# Altium PCB PCB6.PcbDoc (part 1 of 2) (continued)
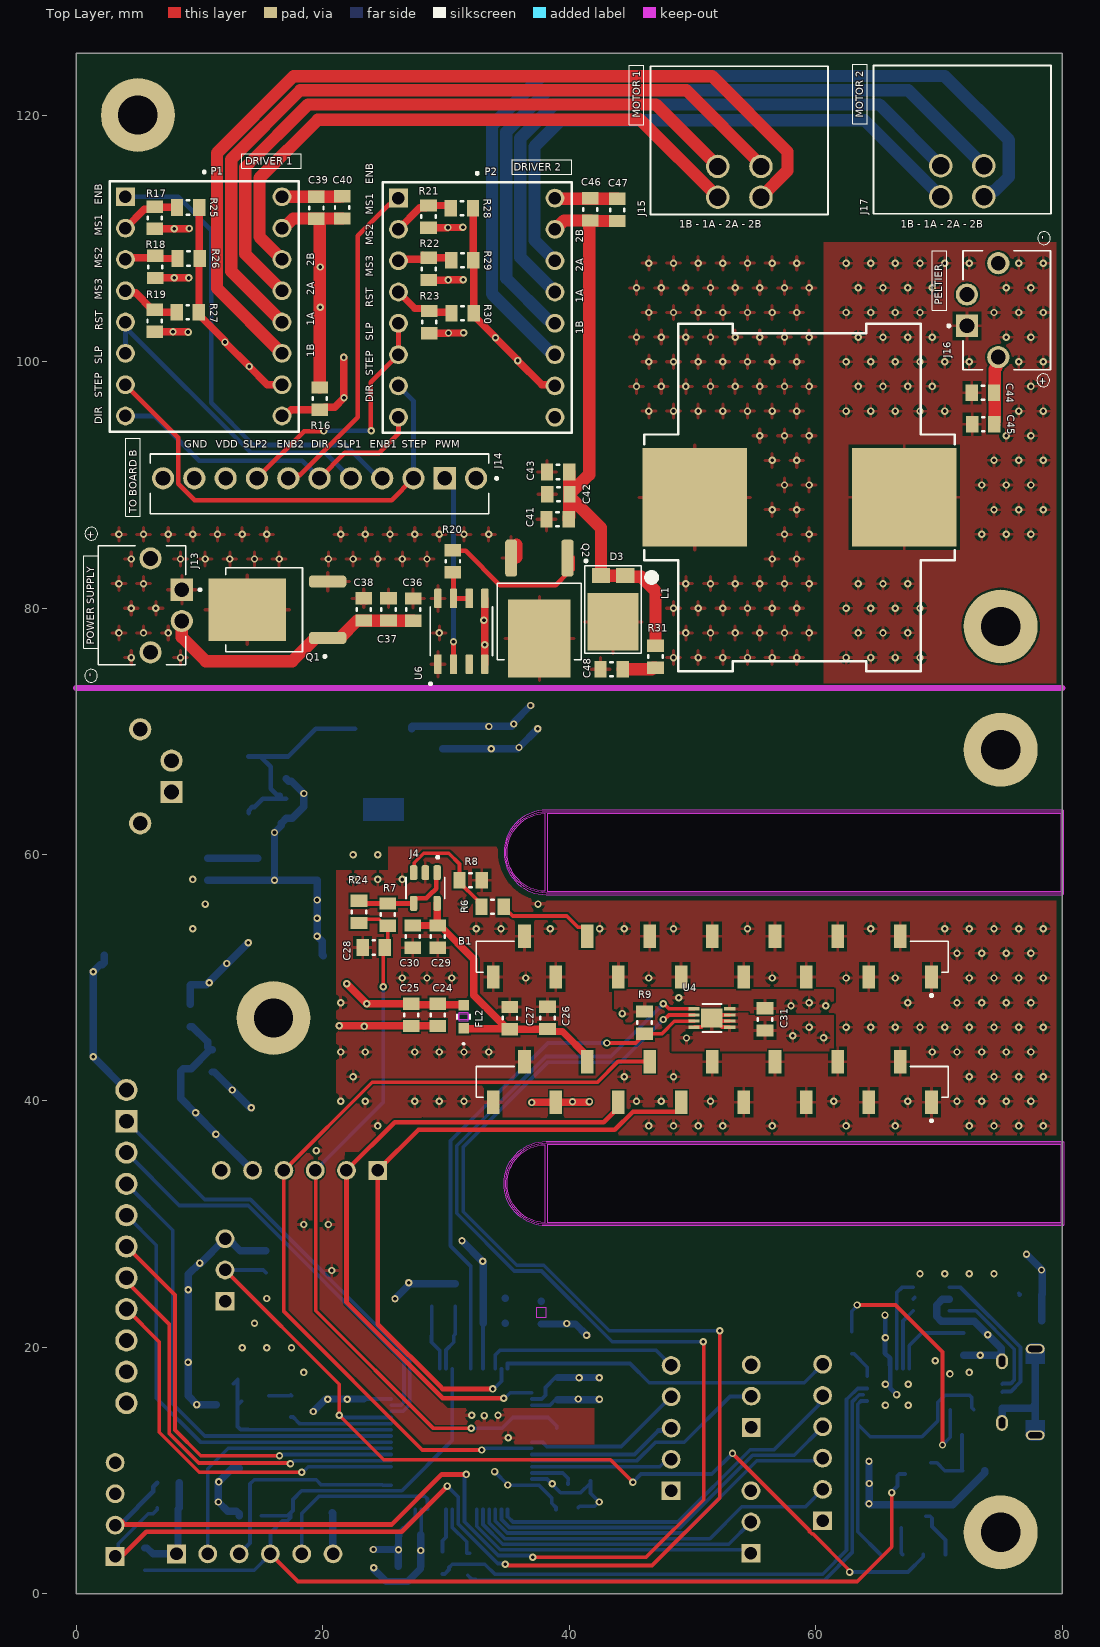
[diagram p0: Top Layer view]
## Footprints (in the part's own frame and the unit in brackets; to place one, negate y for a bottom-side part, rotate by r counter-clockwise, add the part's x,y. Pads: shape width x height; smd on the part's side, far side on the other; paste and mask are expansions set on the pad)
AMPHENOL_10118194-0001LF [mm]
  rect 0.4x1.35 smd: 1(-1.3,2.675) 2(-0.65,2.675) 3(0,2.675) 4(0.65,2.675) 5(1.3,2.675)
  oval 0.775x1.55 hole 0.5 slot 1.15 at 90 deg mask+0: SH1(-3.5,0) SH4(3.5,0)
  rect 1.5x1.55 smd: SH2(1,0) SH3(-1,0)
  oval 1.3x0.95 hole 0.55 slot 0.9 at 0 deg: SH5(-2.5,2.7) SH6(2.5,2.7)
  Top Layer region: -2.3,-0.775 -3.445,-0.775 -3.471,-0.774 -3.497,-0.772 -3.523,-0.769 -3.549,-0.764 -3.574,-0.758 -3.6,-0.751 -3.624,-0.742 -3.648,-0.732 -3.672,-0.721 -3.695,-0.708 -3.717,-0.694 -3.739,-0.68 -3.76,-0.664 -3.78,-0.647 -3.799,-0.629 -3.817,-0.61 -3.834,-0.59 -3.85,-0.569 -3.864,-0.547 -3.878,-0.525 -3.891,-0.502 -3.902,-0.478 -3.912,-0.454 -3.921,-0.43 -3.928,-0.404 -3.934,-0.379 -3.939,-0.353 -3.942,-0.327 -3.944,-0.301 -3.945,-0.275 -3.945,0.275 -3.944,0.301 -3.942,0.327 -3.939,0.353 -3.934,0.379 -3.928,0.404 -3.921,0.43 -3.912,0.454 -3.902,0.478 -3.891,0.502 -3.878,0.525 -3.864,0.547 -3.85,0.569 -3.834,0.59 -3.817,0.61 -3.799,0.629 -3.78,0.647 -3.76,0.664 -3.739,0.68 -3.717,0.694 -3.695,0.708 -3.672,0.721 -3.648,0.732 -3.624,0.742 -3.6,0.751 -3.574,0.758 -3.549,0.764 -3.523,0.769 -3.497,0.772 -3.471,0.774 -3.445,0.775 -2.3,0.775
  Top Layer region: 3.471,0.774 3.497,0.772 3.523,0.769 3.549,0.764 3.574,0.758 3.6,0.751 3.624,0.742 3.648,0.732 3.672,0.721 3.695,0.708 3.717,0.694 3.739,0.68 3.76,0.664 3.78,0.647 3.799,0.629 3.817,0.61 3.834,0.59 3.85,0.569 3.864,0.547 3.878,0.525 3.891,0.502 3.902,0.478 3.912,0.454 3.921,0.43 3.928,0.404 3.934,0.379 3.939,0.353 3.942,0.327 3.944,0.301 3.945,0.275 3.945,-0.275 3.944,-0.301 3.942,-0.327 3.939,-0.353 3.934,-0.379 3.928,-0.404 3.921,-0.43 3.912,-0.454 3.902,-0.478 3.891,-0.502 3.878,-0.525 3.864,-0.547 3.85,-0.569 3.834,-0.59 3.817,-0.61 3.799,-0.629 3.78,-0.647 3.76,-0.664 3.739,-0.68 3.717,-0.694 3.695,-0.708 3.672,-0.721 3.648,-0.732 3.624,-0.742 3.6,-0.751 3.574,-0.758 3.549,-0.764 3.523,-0.769 3.497,-0.772 3.471,-0.774 3.445,-0.775 2.3,-0.775 2.3,0.775 3.445,0.775
  silkscreen extent -3.7,-1.45 3.7,4.1, body extent -4.02,-2.68 4.02,2.85, height 2.67
CONN4_1787014_PXC [mm]
  round 1.905 / inner round 1.524 / far side round 1.905 hole 1.397 paste-2539.97 mask+0: 1(0,0) 2(3.5,0) 3(0,-2.5) 4(3.5,-2.5)
  silkscreen extent -5.45,-10.63 8.95,1.39, body extent -5.25,-10.5 8.75,1.1, height 10.8
DFN8_2x3MC_MCH-M [mm]
  rect 0.908x0.255 smd paste+0 mask+0: 1(-1.445,0.75) 2(-1.445,0.25) 3(-1.445,-0.25) 4(-1.445,-0.75) 5(1.445,-0.75) 6(1.445,-0.25) 7(1.445,0.25) 8(1.445,0.75)
  rect 1.753x1.549 smd paste+0 mask+0: 9(0,0)
  silkscreen extent -0.77,-1.13 0.77,1.13, body extent -1.5,-1 1.5,1, height 0.94
DPAK228P994X240_3N [mm]
  rrect50% 0.97x3.02 smd: 1(-2.286,-4.09) 3(2.286,-4.09)
  rect 5.09x6.32 smd paste-4: 4(0,2.44)
  silkscreen extent -3.89,-3.96 3.4,4.18, body extent -3.3,-4.97 3.3,5.06, height 2.41
FSV15150V_TO-277 [mm]
  rect 1.2x1.5 smd: 1(2.75,0.985) 2(2.75,-0.985)
  rect 4.65x4.15 smd: 3(-1,0)
  silkscreen extent -3.56,-2.29 3.56,2.29, body extent -3.25,-2.22 3.25,2.22, height 1.2
GEN_PIN3 [mil] "Generic 40 mils drill size, 100 mils step"
  rect 60x60 / inner round 60 / far side rect 60x60 hole 40: 01(-100,0)
  round 60 hole 40: 02(0,0) 03(100,0)
  silkscreen extent -180,-50 150,50, body extent -150,-50 150,50, height 337
GEN_PIN4 [mil] "Generic 40 mils drill size, 100 mils step"
  rect 60x60 hole 40: 01(-150,0)
  round 60 hole 40: 02(-50,0) 03(50,0) 04(150,0)
  silkscreen extent -230,-50 200,50, body extent -200,-50 200,50, height 337
GEN_PIN5 [mil] "Generic 40 mils drill size, 100 mils step"
  rect 60x60 hole 40: 01(-200,0)
  round 60 hole 40: 02(-100,0) 03(0,0) 04(100,0) 05(200,0)
  silkscreen extent -280,-50 250,50, body extent -250,-50 250,50, height 337
GEN_PIN6 [mil] "Generic 40 mils drill size, 100 mils step"
  rect 60x60 / inner round 60 / far side rect 60x60 hole 40: 01(-250,0)
  round 60 hole 40: 02(-150,0) 03(-50,0) 04(50,0) 05(150,0) 06(250,0)
  silkscreen extent -330,-50 300,50, body extent -300,-50 300,50, height 337
IND_1608_TDK-M [mm]
  rect 0.859x0.851 smd paste+0 mask+0: 1(-0.929,0) 2(0.929,0)
  Top Layer keep-out region: -0.381,-0.349 -0.381,0.349 0.381,0.349 0.381,-0.349
  Keep-Out Layer region: -0.381,-0.4 -0.381,0.4 0.381,0.4 0.381,-0.4
  silkscreen extent -2.27,-0.53 0.18,0.53, body extent -0.8,-0.4 0.8,0.4, height 0.8
LEDC1608X35N [mm]
  rect 0.81x0.93 smd: A(0.81,0) C(-0.81,0)
  silkscreen extent -2.1,-0.45 0.09,0.45, body extent -0.8,-0.4 0.8,0.4, height 0.8
PHOENIX_1706207 [mm]
  rect 1.8x1.8 / inner round 1.8 / far side rect 1.8x1.8 hole 1.2: 1(3.56,6.78)
  round 1.8 hole 1.2: 2(6.1,6.78) MH1(1.02,4.24) MH2(8.64,4.24)
  silkscreen extent 0,0 9.66,8.35, body extent 0.04,0 9.71,7.38, height 4.85
PHOENIX_1821465 [mm]
  rect 1.8x1.8 / inner round 1.8 / far side rect 1.8x1.8 hole 1.2: 1(3.56,1.97)
  round 1.8 hole 1.2: 2(6.1,1.97) 3(8.64,1.97) 4(11.18,1.97) 5(13.72,1.97) 6(16.26,1.97) 7(18.8,1.97) 8(21.34,1.97) 9(23.88,1.97) MH1(1.02,1.97) MH2(26.42,1.97)
  silkscreen extent -0.75,0 27.44,4.85, body extent 0.05,-0.03 27.5,4.82, height 7.1
PINES8x2-sep [mil]
  rect 60x60 / inner round 60 / far side rect 60x60 hole 40: 1(-335.98,-253.15)
  round 60 hole 40: 2(-235.98,-253.15) 3(-135.98,-253.15) 4(-35.98,-253.15) 5(64.02,-253.15) 6(164.02,-253.15) 7(264.02,-253.15) 8(364.02,-253.15) 9(364.02,246.85) 10(264.02,246.85) 11(164.02,246.85) 12(64.02,246.85) 13(-35.98,246.85) 14(-135.98,246.85) 15(-235.98,246.85) 16(-335.98,246.85)
  silkscreen extent -419,-303 414,300, body extent -400,-301 426,300, height 571
QFN50P500X500X100-29N [mm]
  rrect50% 0.97x0.26 smd: 1(-2.37,1.5) 2(-2.37,1) 3(-2.37,0.5) 4(-2.37,0) 5(-2.37,-0.5) 6(-2.37,-1) 7(-2.37,-1.5) 15(2.37,-1.5) 16(2.37,-1) 17(2.37,-0.5) 18(2.37,0) 19(2.37,0.5) 20(2.37,1) 21(2.37,1.5)
  rrect50% 0.26x0.97 smd: 8(-1.5,-2.37) 9(-1,-2.37) 10(-0.5,-2.37) 11(0,-2.37) 12(0.5,-2.37) 13(1,-2.37) 14(1.5,-2.37) 22(1.5,2.37) 23(1,2.37) 24(0.5,2.37) 25(0,2.37) 26(-0.5,2.37) 27(-1,2.37) 28(-1.5,2.37)
  rect 3.15x3.15 smd paste-0.585: 29(0,0)
  silkscreen extent -3.4,-2.5 2.5,2.5, body extent -2.5,-2.5 2.5,2.5, height 1
QFP50P1200X1200X160-64N [mm]
  rect 1.5x0.3 smd: 1(-5.7,3.75) 2(-5.7,3.25) 3(-5.7,2.75) 4(-5.7,2.25) 5(-5.7,1.75) 6(-5.7,1.25) 7(-5.7,0.75) 8(-5.7,0.25) 9(-5.7,-0.25) 10(-5.7,-0.75) 11(-5.7,-1.25) 12(-5.7,-1.75) 13(-5.7,-2.25) 14(-5.7,-2.75) 15(-5.7,-3.25) 16(-5.7,-3.75) 33(5.7,-3.75) 34(5.7,-3.25) 35(5.7,-2.75) 36(5.7,-2.25) 37(5.7,-1.75) 38(5.7,-1.25) 39(5.7,-0.75) 40(5.7,-0.25) 41(5.7,0.25) 42(5.7,0.75) 43(5.7,1.25) 44(5.7,1.75) 45(5.7,2.25) 46(5.7,2.75) 47(5.7,3.25) 48(5.7,3.75)
  rect 0.3x1.5 smd: 17(-3.75,-5.7) 18(-3.25,-5.7) 19(-2.75,-5.7) 20(-2.25,-5.7) 21(-1.75,-5.7) 22(-1.25,-5.7) 23(-0.75,-5.7) 24(-0.25,-5.7) 25(0.25,-5.7) 26(0.75,-5.7) 27(1.25,-5.7) 28(1.75,-5.7) 29(2.25,-5.7) 30(2.75,-5.7) 31(3.25,-5.7) 32(3.75,-5.7) 49(3.75,5.7) 50(3.25,5.7) 51(2.75,5.7) 52(2.25,5.7) 53(1.75,5.7) 54(1.25,5.7) 55(0.75,5.7) 56(0.25,5.7) 57(-0.25,5.7) 58(-0.75,5.7) 59(-1.25,5.7) 60(-1.75,5.7) 61(-2.25,5.7) 62(-2.75,5.7) 63(-3.25,5.7) 64(-3.75,5.7)
  silkscreen extent -6.08,-4.6 4.6,4.88, body extent -6,-6 6,6, height 1.6
RES_0805 [mm] "Chip Resistor, 2-Leads, Body 2.00x1.25mm, IPC Medium Density"
  rect 1x1.35 smd: 1(-0.9,0) 2(0.9,0)
  silkscreen extent -0.1,-0.58 0.1,0.58, body extent -1.05,-0.67 1.05,0.67, height 0.6
SMA_ONS [mil]
  rect 79x79 smd paste+0 mask+0: 1(-78.5,0) 2(78.5,0)
  Top Layer keep-out region: -31.5,-41.5 -31.5,41.5 30.51,41.5 30.51,-41.5
  Top Layer keep-out region: -39.37,-55.5 -39.37,-47.24 39.37,-47.24 39.37,-55.5
  Top Layer keep-out region: -39.37,46.26 -39.37,55.5 39.37,55.5 39.37,46.26
  silkscreen extent -180,-63 95,63, body extent -90,-57 90,57, height 97
SOCKET-15_SMD-HARWIN_M20-7861546 [mm]
  rect 1.02x1.9 smd: 1(-12.659,-6.837) 2(-10.119,-3.537) 3(-7.579,-6.837) 4(-5.039,-3.537) 5(-2.499,-6.837) 6(0.041,-3.537) 7(2.581,-6.837) 8(5.121,-3.537) 9(7.661,-6.837) 10(10.201,-3.537) 11(12.741,-6.837) 12(12.741,3.323) 13(10.201,6.623) 14(7.661,3.323) 15(5.121,6.623) 16(2.581,3.323) 17(0.041,6.623) 18(-2.499,3.323) 19(-5.039,6.623) 20(-7.579,3.323) 21(-10.119,6.623) 22(-12.659,3.323) G1(-17.739,-6.837) G2(-15.199,-3.537) G3(15.281,-3.537) G4(17.821,-6.837) G5(17.821,3.323) G6(15.281,6.623) G7(-15.199,6.623) G8(-17.739,3.323)
  silkscreen extent -19.11,-8.44 19.19,6.22, body extent -20.8,-7.08 20.8,7.08, height 11.34
SOIC127P599X175-8N [mm]
  rrect25% 1.58x0.6 smd: 1(-2.67,1.905) 2(-2.67,0.635) 3(-2.67,-0.635) 4(-2.67,-1.905) 5(2.67,-1.905) 6(2.67,-0.635) 7(2.67,0.635) 8(2.67,1.905)
  silkscreen extent -4.35,-2.52 1.99,2.6, body extent -3,-2.45 3,2.45, height 1.75
SOT23-6L_STM-M [mm]
  rect 1.172x0.558 smd paste+0 mask+0: 1(-1.462,0.95) 2(-1.462,0) 3(-1.462,-0.95) 4(1.462,-0.95) 5(1.462,0) 6(1.462,0.95)
  silkscreen extent -1,-1.65 1,1.65, body extent -1.5,-1.52 1.5,1.52, height 1.45
SOT95P240X120-3N [mm]
  rect 1.34x0.6 smd paste+0 mask+0.102: 1(-0.99,0.95) 2(-0.98,-0.95) 3(0.99,0)
  silkscreen extent -2.39,-1.45 0.65,1.45
SOT95P280X145-5N [mm]
  rrect50% 1.22x0.6 smd: 1(-1.245,0.95) 2(-1.245,0) 3(-1.245,-0.95) 4(1.245,-0.95) 5(1.245,0.95)
  silkscreen extent -2.6,-1.57 0.88,1.57, body extent -1.35,-1.45 1.35,1.45, height 1.45
SOT223-3_ONS-M [mil]
  rect 26x73 smd paste+0 mask+0: 1(-90.5,-129) 2(0,-129) 3(90.5,-129)
  round 1 smd: 4(0,129)
  Top Layer region: 65,92.5 65,165.5 -65,165.5 -65,92.5
  silkscreen extent -186,-148 136,78, body extent -131,-144 131,144, height 68
SOT230P700X180-4N [mm]
  rect 2.15x0.95 smd paste+0 mask+0.102: 1(-2.9,2.3) 2(-2.9,0) 3(-2.9,-2.3)
  rect 2.15x3.25 smd paste+0 mask+0.102: 4(2.9,0)
  silkscreen extent -4.7,-3.25 1.75,3.25, body extent -3.5,-3.25 3.5,3.25, height 1.8
SOT-23_DIO-M [mil]
  rect 24x62 smd paste+0 mask+0: 1(-36.02,-41) 2(36.02,-41) 3(0,41)
  silkscreen extent -64,-105 64,33, body extent -59,-50 59,50, height 45
SOT-23_ONS-M [mil]
  rect 24x68 smd paste+0 mask+0: 1(-37.5,-40) 2(37.5,-40) 3(0,40)
  silkscreen extent -115,-57 65,32, body extent -60,-52 60,52, height 44
SW_B3U-1000P [mm]
  rect 0.8x1.7 smd: 1(-1.7,0) 2(1.7,0)
  silkscreen extent -2.8,-1.25 1.5,1.25, body extent -2.03,-1.25 1.97,1.25, height 1.75
WE-HCF_2920_ROUND [mm]
  rect 8x8.5 smd paste+0 mask+0.102: 1(0,8.5) 2(0,-8.5)
  silkscreen extent -14.1,-12.6 14.1,12.6, body extent -13.62,-11.45 13.68,11.65, height 20
XTALDFN320X250X100-2N [mm]
  rect 1.37x2.43 smd: 1(-0.9,0) 2(0.9,0)
  silkscreen extent -2.69,-0.1 -2.49,0.1, body extent -1.6,-1.25 1.6,1.25, height 1

## Part data
B1: "Image Sensors & Color Sensors CCD Linear Sensor 3648 8x20 54mm", Manufacturer_Name=Toshiba, Manufacturer_Part_Number=TCD1304DG(8Z,AW), Mouser Part Number=757-TCD1304DG8ZAW, Datasheet Link=https://datasheet.datasheetarchive.com/originals/distributors/DKDS-29/569259.pdf, Geometry.Height=3.72mm, Mouser Price/Stock=https://www.mouser.co.uk/ProductDetail/Toshiba/TCD1304DG8ZAW?qs=OLJpxlzHOSRVMcyirxbASw%3D%3D
C1 C2 C3 C4 C5 C6 C7 C8 C9 C10 C11 C12 C13 C14 C15 C16 C17 C18 C19 C20 C21 C22 C23 C24 C25 C26 C27 C28 C29 C30 C31 C32 C33 C34 C35 C36 C37 C38 C39 C40 C41 C42 C43 C44 C45 C46 C47 C48: library part CAP_0805, "Generic Capacitor"
CR1: "Very low capacitance ESD protection", Manufacturer_Name=STMicroelectronics, Copyright="Copyright (C) 2025 Ultra Librarian. All rights reserved.", Manufacturer_Part_Number=USBLC6-4SC6, RefDes=RefDes, Type=Type
D1 U8: library part DIODE-BAS40-7-F, "Description", Manufacturer_Name="Diodes Inc", Copyright="Copyright (C) 2025 Ultra Librarian. All rights reserved.", Manufacturer_Part_Number=BAS40-7-F, RefDes=RefDes, Type="Diodes - Rectifiers, Single"
D2: library part LED-LTST-C190KRKT, "Red 631nm LED Indication - Discrete 2V 0603 (1608 Metric)", Package="0603 Lite-On", Availability="In Stock", Check_prices=https://www.snapeda.com/parts/LTST-C190KRKT/Lite-On+Inc./view-part/?ref=eda, MF="Lite-On Inc.", MP=LTST-C190KRKT, Price=None, Purchase-URL=https://pricing.snapeda.com/search/part/LTST-C190KRKT/?ref=eda, SnapEDA_Link=https://www.snapeda.com/parts/LTST-C190KRKT/Lite-On+Inc./view-part/?ref=snap
FL1 FL2: library part MMZ1608B601CTAH0, "INDUCTOR; SMT (0603); FERRITE-BEAD; 600; TOL=+/-25%; 0.5A; -55 DEGC TO +125 DEGC", Manufacturer_Name=TDK, Copyright="Copyright (C) 2025 Ultra Librarian. All rights reserved.", Manufacturer_Part_Number=MMZ1608B601CTAH0
J1 J11 J13 J14 J16 Q4: Package=None, Availability=Unavailable, Price=None
  J1 J13 J16: MP=1706207
  J11 J14: MF="{'manufacturer': u'Phoenix Contact'}", MP=1821465
  Q4: MF="{'manufacturer': u'Diotec Semiconductor'}", MP=BC857B-AQ
J2 J3 J5 J6 J7 J8 J9 J10: "Generic 40 mils drill size, 100 mils step", Package=None, MF="Samtec Inc."
  J2 J3 J5: Check_prices=https://www.snapeda.com/parts/TS-103-T-A/Samtec+Inc./view-part/?ref=eda, MP=TS-103-T-A, SnapEDA_Link=https://www.snapeda.com/parts/TS-103-T-A/Samtec+Inc./view-part/?ref=snap
  J6: Availability="In Stock", Check_prices=https://www.snapeda.com/parts/TS-104-T-A/Samtec+Inc./view-part/?ref=eda, MP=TS-104-T-A, Price=None, Purchase-URL=https://pricing.snapeda.com/search/part/TS-104-T-A/?ref=eda, SnapEDA_Link=https://www.snapeda.com/parts/TS-104-T-A/Samtec+Inc./view-part/?ref=snap
  J7 J8 J10: Check_prices=https://www.snapeda.com/parts/TS-106-T-A/Samtec+Inc./view-part/?ref=eda, MP=TS-106-T-A, SnapEDA_Link=https://www.snapeda.com/parts/TS-106-T-A/Samtec+Inc./view-part/?ref=snap
  J9: Availability="In Stock", Check_prices=https://www.snapeda.com/parts/TS-105-T-A/Samtec+Inc./view-part/?ref=eda, MP=TS-105-T-A, Price=None, Purchase-URL=https://pricing.snapeda.com/search/part/TS-105-T-A/?ref=eda, SnapEDA_Link=https://www.snapeda.com/parts/TS-105-T-A/Samtec+Inc./view-part/?ref=snap
J4: library part OPAMP-MCP6001UT-E/OT, "Microchip MCP6001UT-E/OT Op Amp, 1MHz Rail-Rail, 1.8 - 6 V, 5-Pin SOT-23", Package="SOT-23 Microchip", Check_prices=https://www.snapeda.com/parts/MCP6001UT-E/OT/Microchip/view-part/?ref=eda, MF=Microchip, MP=MCP6001UT-E/OT, SnapEDA_Link=https://www.snapeda.com/parts/MCP6001UT-E/OT/Microchip/view-part/?ref=snap
J12: "Micro USB, Input Output Connectors, B TYPE RECEPTACLE with flange", Package=None, Check_prices=https://www.snapeda.com/parts/10118194-0001LF/Amphenol+FCI/view-part/?ref=eda, MF="Amphenol ICC", MP=10118194-0001LF, SnapEDA_Link=https://www.snapeda.com/parts/10118194-0001LF/Amphenol+FCI/view-part/?ref=snap
J15 J17: library part Phoenix_1787014_4P, "PCB headers, nominal cross section: 1.5 mmÂ², color: black, nominal current: 8 A, rated voltage (III/2): 160 V, contact surface: Tin, contact connection type: Pin, number of potentials: 4, number of rows: 2, number of positions: 2, number of connections: 4, product range: DMC 1,5/..-G1F-THR, pitch: 3.5 mm, mounting: THR soldering, pin layout: Linear pinning, solder pin [P]: 2 mm, number of solder pins per potential: 1, plug-in system: COMBICON DFMC 1,5, Pin connector pattern alignment: Standard, locking: Snap-in locking, mounting: Lock &amp; release threaded flange, type of packaging: packed in cardboard", Manufacturer_Name="Phoenix Contact", Copyright="Copyright (C) 2025 Ultra Librarian. All rights reserved.", Manufacturer_Part_Number=1787014, RefDes=RefDes, Type="Headers, Plugs and Sockets"
L1: library part 22uH_74437529203220, Package=None, Availability=Unavailable, MF="{'manufacturer': u'W\xfcrth Elektronik'}", MP=74437529203220, Price=None
Q1 Q2: "P-Channel 30V 25A _Ta_ 2.5W _Ta_, 50W _Tc_ Surface Mount TO-252, _D-Pak_", Package="TO-252 Alpha &amp; Omega Semiconductor", Availability=Unavailable, MF="Alpha &", MP=AOD417, Price=None, SnapEDA_Link=https://www.snapeda.com/parts/AOD417/Alpha%20%26%20Omega%20Semiconductor%20Inc./view-part/454934/?ref=snap
Q3 U2 U7: "Description", Manufacturer_Name=onsemi, Copyright="Copyright (C) 2025 Ultra Librarian. All rights reserved.", RefDes=RefDes, Type=Type
  Q3: Manufacturer_Part_Number=BC846BLT1G
  U2: Manufacturer_Part_Number=NCV1117STAT3G
  U7: Manufacturer_Part_Number=MBRA340T3G
R1 R2 R3 R4 R5 R6 R7 R8 R9 R10 R11 R12 R13 R14 R15 R16 R17 R18 R19 R20 R21 R22 R23 R24 R25 R26 R27 R28 R29 R30 R31 R32 R33 R34 R35 R36 R37: library part RES_0805, "Generic Capacitor"
SW1 SW2: library part SW-B3U-1000P, "Switch Tactile N.O. SPST Round Button Gull Wing 0.05A 12VDC 1.5N SMD Embossed T/R", Package=None, Availability=Unavailable, MP=B3U-1000P, Price=None
U1: library part REG3_3-NCV1117ST33T3G, "Linear Voltage Regulator IC Positive Fixed 1 Output 1A SOT-223", Package="SOT-223-4 ON Semiconductor", Check_prices=https://www.snapeda.com/parts/NCV1117ST33T3G/Onsemi/view-part/?ref=eda, MF="ON Semiconductor", MP=NCV1117ST33T3G, SnapEDA_Link=https://www.snapeda.com/parts/NCV1117ST33T3G/Onsemi/view-part/?ref=snap
U3: "ARM® Cortex®-M4 STM32F4 Microcontroller IC 32-Bit Single-Core 180MHz 256KB (256K x 8) FLASH 64-LQFP (10x10)", Package="LQFP-64 STMicroelectronics", Check_prices=https://www.snapeda.com/parts/STM32F446RCT6TR/STMicroelectronics/view-part/?ref=eda, MF=STMicroelectronics, MP=STM32F446RCT6TR, SnapEDA_Link=https://www.snapeda.com/parts/STM32F446RCT6TR/STMicroelectronics/view-part/?ref=snap
U4: library part MCP9808T-EMC, "Description", Manufacturer_Name=Microchip, Copyright="Copyright (C) 2026 Ultra Librarian. All rights reserved.", Manufacturer_Part_Number=MCP9808T-E/MC, RefDes=RefDes, Type=Type
U5: "USB Bridge, USB to UART USB 2.0 UART Interface 28-QFN (5x5)", Package="QFN-28 Silicon Labs", Check_prices=https://www.snapeda.com/parts/CP2102-GM/Silicon+Labs/view-part/?ref=eda, MF="Silicon Labs", MP=CP2102-GM, SnapEDA_Link=https://www.snapeda.com/parts/CP2102-GM/Silicon+Labs/view-part/?ref=snap
U6: "Microchip TC4420COA,MOSFET Power Driver 6A,4.5 to 18V,Non-Inverting,8-Pin SOIC", Package="SOIC-8 Microchip", Check_prices=https://www.snapeda.com/parts/TC4420COA/Microchip/view-part/?ref=eda, MF="Microchip Technology", MP=TC4420COA, SnapEDA_Link=https://www.snapeda.com/parts/TC4420COA/Microchip/view-part/?ref=snap
X1: library part CRISTAL-CG04874-8M, "8 MHz ±20ppm Crystal 8pF 500 Ohms 2-SMD, No Lead", Package="SMD-2 NDK America,", Check_prices=https://www.snapeda.com/parts/CG04874-8M/NDK+America%252C+Inc./view-part/?ref=eda, MF="NDK America, Inc.", MP=CG04874-8M, SnapEDA_Link=https://www.snapeda.com/parts/CG04874-8M/NDK+America%252C+Inc./view-part/?ref=snap

## Free pads (board coordinates)
  round 6 hole 3.2 unplated mask+0.3: H(5,120) H(16,46.735) H(75,5) H(75,68.5) H(75,78.5)

## Via types
v1: diameter 0.6, hole 0.3, Top Layer to Bottom Layer, 445 vias

## Nets (pads, with @x,y where several pads share a name; then routed paths per layer and width w, separated by ;. In a path a pad name is that pad's centre, name@x,y a point inside that pad or via, vN(x,y) a via of type N, cw(c..) or ccw(c..) an arc to the next point about the centre after c; other vN are vias at no path point)
AGND: B1.6 B1.7 B1.8 B1.9 B1.10 B1.11 B1.12 B1.13 B1.14 B1.15 B1.16 B1.17 B1.18 B1.19 B1.20 B1.22 B1.G1 B1.G2 B1.G3 B1.G4 B1.G5 B1.G6 B1.G7 B1.G8 C15.1 C22.2 C23.2 C26.2 C27.2 C28.1 C29.2 C30.2 J4.2 R2.1 R8.2 U3.12 U3.20 U3.22 | length 11.1
  Bottom Layer w0.3: U3.12@32.992,18.273 32.992,21.954 C22.2@33.009,21.971
  Bottom Layer w0.6: v1(31.293,28.651) 32.944,27 v1(32.969,27) 33.009,26.96 C22.2@33.009,21.971
  other v1: 35.052,12.675 33.096,14.478 32.08,14.503 34.214,14.503 20.726,26.249 18.455,29.979 20.455,29.979 19.455,35.979 24.455,37.979 46.455,37.979 48.455,37.979 50.455,37.979 52.455,37.979 56.455,37.979 62.455,37.979 66.455,37.979 72.455,37.979 74.455,37.979 76.455,37.979 78.455,37.979 21.455,39.979 23.455,39.979 27.455,39.979 29.455,39.979 31.455,39.979 45.455,39.979 47.455,39.979 51.455,39.979 61.455,39.979 67.455,39.979 71.455,39.979 73.455,39.979 75.455,39.979 77.455,39.979 22.455,41.979 44.455,41.979 48.455,41.979 72.455,41.979 74.455,41.979 76.455,41.979 78.455,41.979 21.455,43.979 23.455,43.979 27.455,43.979 29.455,43.979 31.455,43.979 33.455,43.979 69.455,43.979 71.455,43.979 73.455,43.979 75.455,43.979 77.455,43.979 62.455,45.979 64.455,45.979 66.455,45.979 68.455,45.979 70.455,45.979 72.455,45.979 74.455,45.979 76.455,45.979 78.455,45.979 21.455,47.979 67.455,47.979 71.455,47.979 73.455,47.979 75.455,47.979 77.455,47.979 26.455,49.979 28.455,49.979 30.455,49.979 36.455,49.979 46.455,49.979 56.455,49.979 62.455,49.979 66.455,49.979 72.455,49.979 74.455,49.979 76.455,49.979 78.455,49.979 71.455,51.979 73.455,51.979 75.455,51.979 77.455,51.979 32.455,53.979 34.455,53.979 38.455,53.979 42.455,53.979 44.455,53.979 48.455,53.979 54.455,53.979 64.455,53.979 70.455,53.979 72.455,53.979 74.455,53.979 76.455,53.979 78.455,53.979 31.455,55.979 37.455,55.979 22.455,57.979 24.455,57.979 26.455,57.979
B_DIR: J14.5 P1.8 P2.8 | length 27.1
  Top Layer w0.381: J14.5@19.736,90.526 21.793,92.583 24.587,92.583 26.137,94.132 P2.8@26.137,95.479
  Bottom Layer w0.381: P1.8@3.988,95.58 6.325,95.58 9.957,91.948 18.313,91.948 J14.5@19.736,90.526
B_NENBL1: J14.3 P1.1 | length 38.5
  Bottom Layer w0.381: P1.1@3.988,113.36 8.255,113.36 10.947,110.668 10.947,96.647 14.376,93.218 21.844,93.218 24.536,90.526 J14.3@24.816,90.526
B_NENBL2: J14.6 P2.1 | length 26
  Top Layer w0.381: J14.6@17.196,90.526 17.467,90.797 18.153,90.797 22.835,95.479 22.835,110.198 P2.1@25.387,112.75
B_NSLP1: J14.4 P1.5 P1.6 | length 26.2
  Bottom Layer w0.381: P1.5@3.785,102.997 P1.5@3.988,102.794 ; P1.6@3.988,100.66 P1.5@3.988,102.794 ; P1.5@3.988,103.2 P1.5@3.988,102.794 ; J14.4@22.276,90.526 20.193,92.608 14.173,92.608 P1.5@3.988,102.794
B_NSLP2: J14.7 P2.5 P2.6 | length 20.5
  Top Layer w0.381: J14.7@14.656,90.526 18.475,94.344 20.049,94.344 v1(20.066,94.361) ; v1(23.927,94.386) 23.901,94.412 23.901,98.323 P2.6@26.137,100.559 P2.5@26.137,103.099
  Bottom Layer w0.381: v1(20.066,94.361) 20.079,94.374 23.914,94.374 v1(23.927,94.386)
B_PELCTRL: J14.1 U6.2 | length 15.4
  Top Layer w0.381: U6.2@30.607,75.435 v1(30.607,77.267)
  Bottom Layer w0.381: J14.1@29.896,90.526 30.605,89.816 30.605,83.593 30.607,83.591 v1(30.607,77.267)
B_STEP: J14.2 P1.7 P2.7 | length 38.3
  Top Layer w0.381: P1.7@3.928,98.18 P1.7@3.988,98.12 8.276,93.832 8.276,90.071 9.593,88.754 25.584,88.754 J14.2@27.356,90.526
  Bottom Layer w0.381: P2.7@26.137,98.019 27.356,96.799 J14.2@27.356,90.526
BOOT1: J3.02 U3.28 | length 20
  Bottom Layer w0.3: U3.28@36.942,10.823 45.494,10.823 46.99,12.319 49.327,12.319 53.035,16.027 J3.02@54.762,16.027
DTR_USB: R35.1 U5.28 | length 2.4
  Bottom Layer w0.3: R35.1@62.916,19.496 63.091,19.496 64.181,18.406 U5.28@64.181,17.68
GND: C1.1 C2.1 C3.1 C4.1 C5.1 C6.1 C7.1 C8.1 C9.1 C10.1 C11.1 C12.1 C13.1 C14.2 C16.1 C17.2 C18.2 C19.2 C20.2 C21.2 C24.1 C25.2 C31.1 C32.2 C33.1 C34.1 C35.1 CR1.2 J1.1 J1.MH1 J1.MH2 J2.03 J3.03 J5.03 J6.04 J7.01 J8.06 J9.01 J10.06 J11.9 J11.MH1 J11.MH2 J12.5 J12.SH1 J12.SH2 J12.SH3 J12.SH4 J12.SH5 J12.SH6 R2.2 R5.1 R32.2 SW1.1 SW2.1 U1.1 U3.18 U3.31 U3.47 U3.63 U4.4 U4.5 U4.6 U4.7 U4.9 U5.3 U5.29 | length 177.1
  Top Layer w0.3: v1(49.505,45.11) v1@49.562,45.168 ; U4.4@50.143,46.008 50.736,46.008 51.463,46.735 U4.9@51.565,46.735 ; U4.5@53.01,45.985 52.987,46.008 52.394,46.008 U4.9@51.917,46.485 ; U4.6@53.01,46.485 U4.9@51.917,46.485 ; U4.7@53.01,46.985 51.815,46.985 U4.9@51.565,46.735 ; U4.9@51.565,46.735 U4.9@51.69,46.61 ; U4.9@51.69,46.61 51.815,46.485 U4.9@51.917,46.485 ; U4.9@51.69,46.61 51.792,46.61 U4.9@51.917,46.485
  Top Layer w0.6: v1(21.343,46.095) 23.324,46.095 v1(23.368,46.05) 23.408,46.09 C24.1@29.337,46.09
  Bottom Layer w0.3: C21.2@23.317,15.824 23.318,15.823 U3.63@25.542,15.823 ; C18.2@27.951,4.826 27.992,4.867 U3.47@27.992,6.873 ; U3.31@36.942,9.323 38.19,9.323 39.294,8.22 40.918,8.22 C16.1@41.692,8.994 ; U3.18@36.942,15.823 37.766,15.823 38.065,16.122 38.065,16.762 38.865,17.562 C20.2@39.04,17.562 ; C19.2@40.727,7.01 40.834,7.118 42.068,7.118 v1(42.418,7.468) ; C16.1@41.718,9.195 41.718,8.168 v1@42.35,7.535
  Bottom Layer w0.381: v1@65.611,20.803 65.63,20.822 65.63,22.612 v1(65.611,22.631) ; v1(65.649,20.803) 65.611,20.764 65.611,19.548 66.021,19.138 66.021,18.579 U5.3@66.051,18.55 66.051,16.68 v1(66.551,16.18)
  Bottom Layer w0.6: U1.1@2.272,51.82 2.272,51.22 2.097,51.045 1.926,51.045 v1(1.372,50.491) v1(1.372,43.586) J11.MH1@4.064,40.894 ; C6.1@9.246,47.839 9.258,47.852 9.258,49.405 C4.1@9.271,49.417 10.53,49.417 v1(13.945,52.832) ; v1(10.008,26.848) 9.093,25.933 v1(9.093,24.689) 9.068,24.663 v1(9.068,18.796) 9.068,16.078 v1(9.779,15.367) C32.2@11.343,15.367 ; v1@10.046,26.81 J2.03@12.065,28.829 12.315,28.829 13.28,27.864 R32.2@15.392,27.864 ; C1.1@10.668,57.912 10.673,57.907 v1(16.078,57.907) ; C5.1@11.024,42.356 11.199,42.356 14.109,39.446 v1(14.199,39.446) ; C14.2@13.208,6.338 13.208,6.501 12.995,6.713 12.286,6.713 v1(11.532,7.468) 11.532,9.068 v1(11.557,9.093) 11.557,9.115 12.653,10.211 SW2.1@13.208,10.211 ; 17.018,66.156 17.218,65.956 17.458,65.956 v1(18.466,64.948) 18.466,63.881 17.512,62.927 17.043,62.927 16.643,62.527 16.643,62.352 v1(16.078,61.787) v1(16.078,57.907) ; v1(19.228,14.808) 20.218,15.799 v1(20.396,15.799) 20.422,15.824 C21.2@23.317,15.824 ; R2.2@20.03,51.791 19.945,51.876 19.945,52.953 v1(19.533,53.365) v1(19.533,54.839) v1(19.533,56.312) 19.558,56.337 C11.1@19.558,57.901 19.552,57.907 v1(16.078,57.907) ; SW1.1@20.775,6.579 20.802,6.552 20.802,3.277 J8.06@20.828,3.251 ; v1(24.13,2.134) 24.13,2.02 25.134,1.016 26.881,1.016 27.926,2.06 C17.2@27.926,2.235 ; v1(25.857,23.952) 26.975,25.07 v1(26.975,25.248) 27.065,25.157 C12.1@28.829,25.157 C13.1@30.734,25.157 ; C17.2@27.951,2.235 v1(27.951,3.531) C18.2@27.951,4.826 ; C7.1@29.718,68.594 33.641,68.594 v1(33.655,68.58) 35.814,68.58 v1(35.916,68.682) v1(37.44,70.206) ; C20.2@39.04,17.562 42.407,17.562 v1(42.418,17.551) ; CR1.2@70.833,23.927 70.812,23.906 70.26,23.906 69.797,23.442 69.797,22.511 70.189,22.119 72.848,22.119 75.036,19.931 J12.SH5@75.036,19.03 ; C35.1@71.987,19.369 74.697,19.369 J12.SH5@75.036,19.03 ; J12.SH6@75.103,13.883 75.116,13.895 75.116,15.07 J12.5@75.128,15.083 77.503,15.083 J12.SH2@77.803,15.383 ; v1(77.092,27.559) 78.311,26.34 v1(78.311,26.289) 78.373,26.227 C34.1@78.373,24.308 78.348,24.282 78.348,22.2 C33.1@78.322,22.174 ; J12.SH4@77.803,12.883 J12.SH2@77.803,15.383 ; J12.SH1@77.803,19.883 J12.SH3@77.803,17.383 J12.SH2@77.803,15.383 ; J12.SH5@75.036,19.03 75.036,18.95 J12.SH5@75.103,18.883 75.103,18.963 J12.SH5@75.036,19.03
  other v1: 38.608,8.941 65.649,15.316 67.491,15.316 21.971,15.799 65.649,17.018 67.491,17.018 40.792,17.551 73.342,19.369 73.942,21.025 12.649,40.894 60.63,45.136 58.141,45.288 59.455,45.979 10.795,49.606 12.217,51.156
GND2: J14.9 J14.MH1 J14.MH2 P1.9 P2.9 R16.1 R17.1 R18.1 R19.1 R21.1 R22.1 R23.1 U6.4 U6.5 | length 30.7
  Top Layer w0.6: R19.1@6.35,102.402 v1@7.838,102.402 ; R17.1@6.375,110.758 7.939,110.758 v1(7.95,110.769) 9.144,110.769 v1(9.169,110.795) ; R18.1@6.452,106.796 v1@7.939,106.796 ; v1(7.849,102.413) v1@9.042,102.413 ; v1@7.976,106.782 v1(9.116,106.782) ; P1.9@16.688,95.58 16.938,95.58 17.449,96.092 19.936,96.092 20.136,96.292 20.955,96.292 v1(21.717,97.053) 21.692,97.079 v1(21.692,100.33) ; R21.1@28.575,110.86 v1@30.139,110.86 ; R22.1@28.6,106.607 v1@30.164,106.607 ; R23.1@28.626,102.3 v1@30.19,102.3 ; v1(30.15,110.871) v1@31.344,110.871 ; v1(30.175,106.618) v1@31.369,106.618 ; v1(30.201,102.311) v1@31.394,102.311 ; U6.4@33.147,75.435 v1(33.147,77.013) U6.5@33.147,80.775
  other v1: 33.071,78.994 31.42,102.337 9.068,102.387 31.394,106.644 7.95,106.807 31.369,110.896
NetB1_3: B1.3 J10.02 U3.17 | length 53.7
  Top Layer w0.381: v1(34.671,15.875) 29.718,15.875 21.92,23.673 J10.02@21.92,34.366 25.832,38.278 42.805,38.278 43.986,39.458 B1.3@43.986,39.898
  Bottom Layer w0.3: v1(34.671,15.875) 34.752,15.875 35.2,16.323 U3.17@36.942,16.323
NetB1_4: B1.4 J10.04 U3.26 | length 69.6
  Top Layer w0.3: v1(32.893,11.684) 28.067,11.684 16.84,22.911 J10.04@16.84,34.366 24.003,41.529 42.291,41.529 43.96,43.198 B1.4@46.526,43.198
  Bottom Layer w0.3: v1(32.893,11.684) 32.974,11.684 33.113,11.823 U3.26@36.942,11.823
NetB1_5: B1.5 J10.01 U3.15 | length 53.1
  Top Layer w0.3: 29.592,16.763 29.718,16.637
  Top Layer w0.381: 29.592,16.763 24.46,21.895 J10.01@24.46,34.366 27.762,37.668 43.697,37.668 45.168,39.139 48.746,39.139 49.066,39.458 B1.5@49.066,39.898 ; 29.718,16.637 v1(33.782,16.637)
  Bottom Layer w0.3: v1(33.782,16.637) 33.863,16.637 34.492,17.266 U3.15@34.492,18.273
NetB1_21: B1.21 R6.1 | length 8.1
  Top Layer w0.3: R6.1@34.671,55.753 34.671,55.578 35.021,55.228 35.196,55.228 35.408,55.016 39.788,55.016 40.698,54.106 41.086,54.106 41.446,53.746 B1.21@41.446,53.358
NetC9_2: C9.2 D1.1 R4.2 R5.2 U2.1 | length 17.5
  Bottom Layer w0.381: D1.1@13.97,67.945 D1.1@14.453,67.945 ; R4.2@13.981,63.373 13.981,63.548 14.29,63.857 14.465,63.857 15.135,64.527 R5.2@16.575,64.527 ; D1.1@14.453,67.95 14.944,67.95 17.013,67.95 ; 14.944,67.945 15.773,67.115 15.773,65.329 16.266,64.836 16.534,64.836 16.575,64.795 R5.2@16.575,64.527 ; R5.2@17.018,64.527 R5.2@16.575,64.527 ; 17.018,67.956 17.013,67.95 ; U2.1@22.619,70.206 19.443,70.206 17.187,67.95 17.013,67.95
NetC12_2: C12.2 U3.5 X1.2 | length 5.4
  Bottom Layer w0.3: C12.2@28.829,23.357 28.829,20.966 X1.2@28.818,20.955 28.818,20.425 29.492,19.751 U3.5@29.492,18.273
NetC13_2: C13.2 U3.6 X1.1 | length 5.4
  Bottom Layer w0.3: U3.6@29.992,18.273 29.992,19.799 30.618,20.425 X1.1@30.618,20.955 30.734,21.071 C13.2@30.734,23.357
NetC14_1: C14.1 J8.04 R33.1 SW1.2 U3.7 U8.1 | length 98.5
  Top Layer w0.3: J8.04@15.748,3.251 17.983,1.016 63.362,1.016 66.167,3.821 v1(66.167,8.23)
  Bottom Layer w0.3: R33.1@5.563,1.934 14.431,1.934 J8.04@15.748,3.251 15.748,4.951 16.732,5.935 17.125,5.935 17.375,6.185 SW1.2@17.375,6.579 ; C14.1@14.995,6.338 17.135,6.338 SW1.2@17.375,6.579 ; U3.7@30.492,18.273 30.492,12.449 26.416,8.373 18.279,8.373 17.573,7.667 17.573,6.776 SW1.2@17.375,6.579 ; v1(66.167,8.23) 66.167,8.311 66.622,8.766 66.622,9.573 66.777,9.728 U8.1@67.259,9.728
NetC15_2: C15.2 C28.2 J10.03 R7.2 R24.2 U3.21 | length 60.8
  Top Layer w0.3: J10.03@19.431,34.366 19.431,22.987 28.981,13.437 v1(32.055,13.437) ; R24.2@22.697,54.701 22.733,54.737 24.579,54.737 25.098,54.218 R7.2@25.273,54.218 25.273,52.694 C28.2@25.03,52.451 24.892,52.313 v1(24.892,49.276)
  Bottom Layer w0.3: J10.03@19.38,34.366 24.892,39.878 v1(24.892,49.276) ; v1(32.055,13.437) 34.519,13.437 35.405,14.323 U3.21@36.942,14.323 38.292,14.323 38.978,13.637 C15.2@38.978,13.462
NetC16_2: C16.2 U3.30 | length 3.4
  Bottom Layer w0.3: U3.30@36.942,9.823 39.465,9.823 39.918,9.37 C16.2@39.918,9.195 ; C16.2@39.892,8.918 C16.2@39.892,9.006
NetC32_1: C32.1 R10.1 SW2.2 U3.58 | length 17.3
  Bottom Layer w0.3: R10.1@12.751,17.058 R10.1@13.081,17.388 ; R10.1@13.092,17.399 R10.1@13.081,17.388 ; C32.1@13.132,15.356 C32.1@13.143,15.367 C32.1@13.426,15.65 ; U3.58@25.542,13.323 13.957,13.323 13.941,13.339 13.331,13.339 SW2.2@13.081,13.589 R10.1@13.081,17.388
NetC35_2: C35.2 U5.6 | length 6.7
  Bottom Layer w0.3: U5.6@67.576,18.296 67.576,20.152 68.594,21.169 C35.2@71.987,21.169
NetC44_2: C44.2 C45.2 J16.1 L1.2
  other v1: 62.455,75.979 64.455,75.979 66.455,75.979 68.455,75.979 63.455,77.979 65.455,77.979 67.455,77.979 62.455,79.979 64.455,79.979 66.455,79.979 68.455,79.979 63.455,81.979 65.455,81.979 67.455,81.979 73.455,85.979 75.455,85.979 77.455,85.979 74.455,87.979 76.455,87.979 78.455,87.979 73.455,89.979 75.455,89.979 77.455,89.979 74.455,91.979 76.455,91.979 78.455,91.979 75.455,93.979 77.455,93.979 62.455,95.979 64.455,95.979 66.455,95.979 68.455,95.979 70.455,95.979 76.455,95.979 78.455,95.979 63.455,97.979 65.455,97.979 67.455,97.979 69.455,97.979 77.455,97.979 62.455,99.979 64.455,99.979 66.455,99.979 68.455,99.979 70.455,99.979 72.455,99.979 76.455,99.979 78.455,99.979 63.455,101.979 65.455,101.979 67.455,101.979 69.455,101.979 75.455,101.979 77.455,101.979 62.455,103.979 64.455,103.979 66.455,103.979 68.455,103.979 74.455,103.979 76.455,103.979 78.455,103.979 63.455,105.979 65.455,105.979 67.455,105.979 69.455,105.979 75.455,105.979 77.455,105.979 62.455,107.979 64.455,107.979 66.455,107.979 68.455,107.979 70.455,107.979 72.455,107.979 76.455,107.979 78.455,107.979
NetC48_1: C48.1 R31.2 | length 2.7
  Top Layer w1: C48.1@44.334,75.032 46.699,75.032 46.815,75.148 R31.2@46.99,75.148
NetC48_2: C48.2 D3.3 L1.1 Q2.4
  other v1: 48.455,75.979 50.455,75.979 52.455,75.979 54.455,75.979 56.455,75.979 58.455,75.979 49.455,77.979 51.455,77.979 53.455,77.979 55.455,77.979 57.455,77.979 59.455,77.979 48.455,79.979 50.455,79.979 52.455,79.979 54.455,79.979 56.455,79.979 58.455,79.979 49.455,81.979 51.455,81.979 53.455,81.979 55.455,81.979 57.455,81.979 59.455,81.979 56.455,83.979 58.455,83.979 57.455,85.979 59.455,85.979 56.455,87.979 58.455,87.979 57.455,89.979 59.455,89.979 56.455,91.979 58.455,91.979 55.455,93.979 57.455,93.979 59.455,93.979 46.455,95.979 48.455,95.979 50.455,95.979 52.455,95.979 54.455,95.979 56.455,95.979 58.455,95.979 45.455,97.979 47.455,97.979 49.455,97.979 51.455,97.979 53.455,97.979 55.455,97.979 57.455,97.979 59.455,97.979 46.455,99.979 48.455,99.979 50.455,99.979 52.455,99.979 54.455,99.979 56.455,99.979 58.455,99.979 45.455,101.979 47.455,101.979 49.455,101.979 51.455,101.979 53.455,101.979 55.455,101.979 57.455,101.979 59.455,101.979 46.455,103.979 48.455,103.979 50.455,103.979 52.455,103.979 54.455,103.979 56.455,103.979 58.455,103.979 45.455,105.979 47.455,105.979 49.455,105.979 51.455,105.979 53.455,105.979 55.455,105.979 57.455,105.979 59.455,105.979 46.455,107.979 48.455,107.979 50.455,107.979 52.455,107.979 54.455,107.979 56.455,107.979 58.455,107.979
NetCR1_1: CR1.1 J12.3 | length 12.4
  Bottom Layer w0.3: CR1.1@70.833,24.877 71.748,24.877 76.609,20.015 76.609,17.215 75.827,16.433 75.178,16.433 J12.3@75.128,16.383
NetCR1_3: CR1.3 J12.2 | length 10.2
  Bottom Layer w0.3: CR1.3@70.833,22.977 72.987,22.977 76.103,19.861 76.103,17.359 75.827,17.083 75.178,17.083 J12.2@75.128,17.033
NetCR1_4: CR1.4 U5.5 | length 5
  Bottom Layer w0.3: U5.5@67.076,18.296 67.076,22.145 CR1.4@67.908,22.977
NetCR1_6: CR1.6 U5.4 | length 7.7
  Bottom Layer w0.3: U5.4@66.576,18.296 66.576,24.46 66.993,24.877 CR1.6@67.908,24.877
NetD1_3: D1.3 R3.1 R4.1 U2.2 U2.4
NetD2_C: D2.C R13.2 | length 1.9
  Bottom Layer w0.3: D2.C@15.621,16.078 17.312,16.078 R13.2@17.399,16.165 R13.2@17.489,16.075
NetJ1_2: J1.2 U7.2
NetJ2_02: J2.02 R32.1 R37.1 U3.60 | length 78.7
  Top Layer w0.3: J2.02@12.065,26.289 21.336,17.018 v1(21.336,14.503) 24.943,10.897 43.332,10.897 v1(45.161,9.068) ; v1(53.238,11.405) 59.492,5.151 59.492,5.057 59.667,4.882 59.761,4.882 62.588,2.055 62.588,2.009 62.738,1.859 v1(62.738,1.778)
  Bottom Layer w0.3: J2.02@12.065,26.289 15.167,26.289 R32.1@15.392,26.064 ; v1(21.336,14.503) 21.417,14.503 21.598,14.323 U3.60@25.542,14.323 ; v1(45.161,9.068) 45.822,9.728 51.562,9.728 v1(53.238,11.405) ; v1(62.738,1.778) 67.474,1.778 68.721,3.025 R37.1@68.721,3.2